# Altium PCB vme64x6U_ctrlc.PcbDoc (part 16 of 18)
Units mm, origin at the board's own origin, x right, y up, seen from the top; angles counter-clockwise.
Board outline 233.35 x 162 mm, 6 copper layers (TopLayer, PlaneGnd, PlanePwr, MidLayer3, MidLayer4, BottomLayer); 408 components, 677 nets, 2169 pads, 1555 vias.
Unrouted connection lines stored in the file: 184.
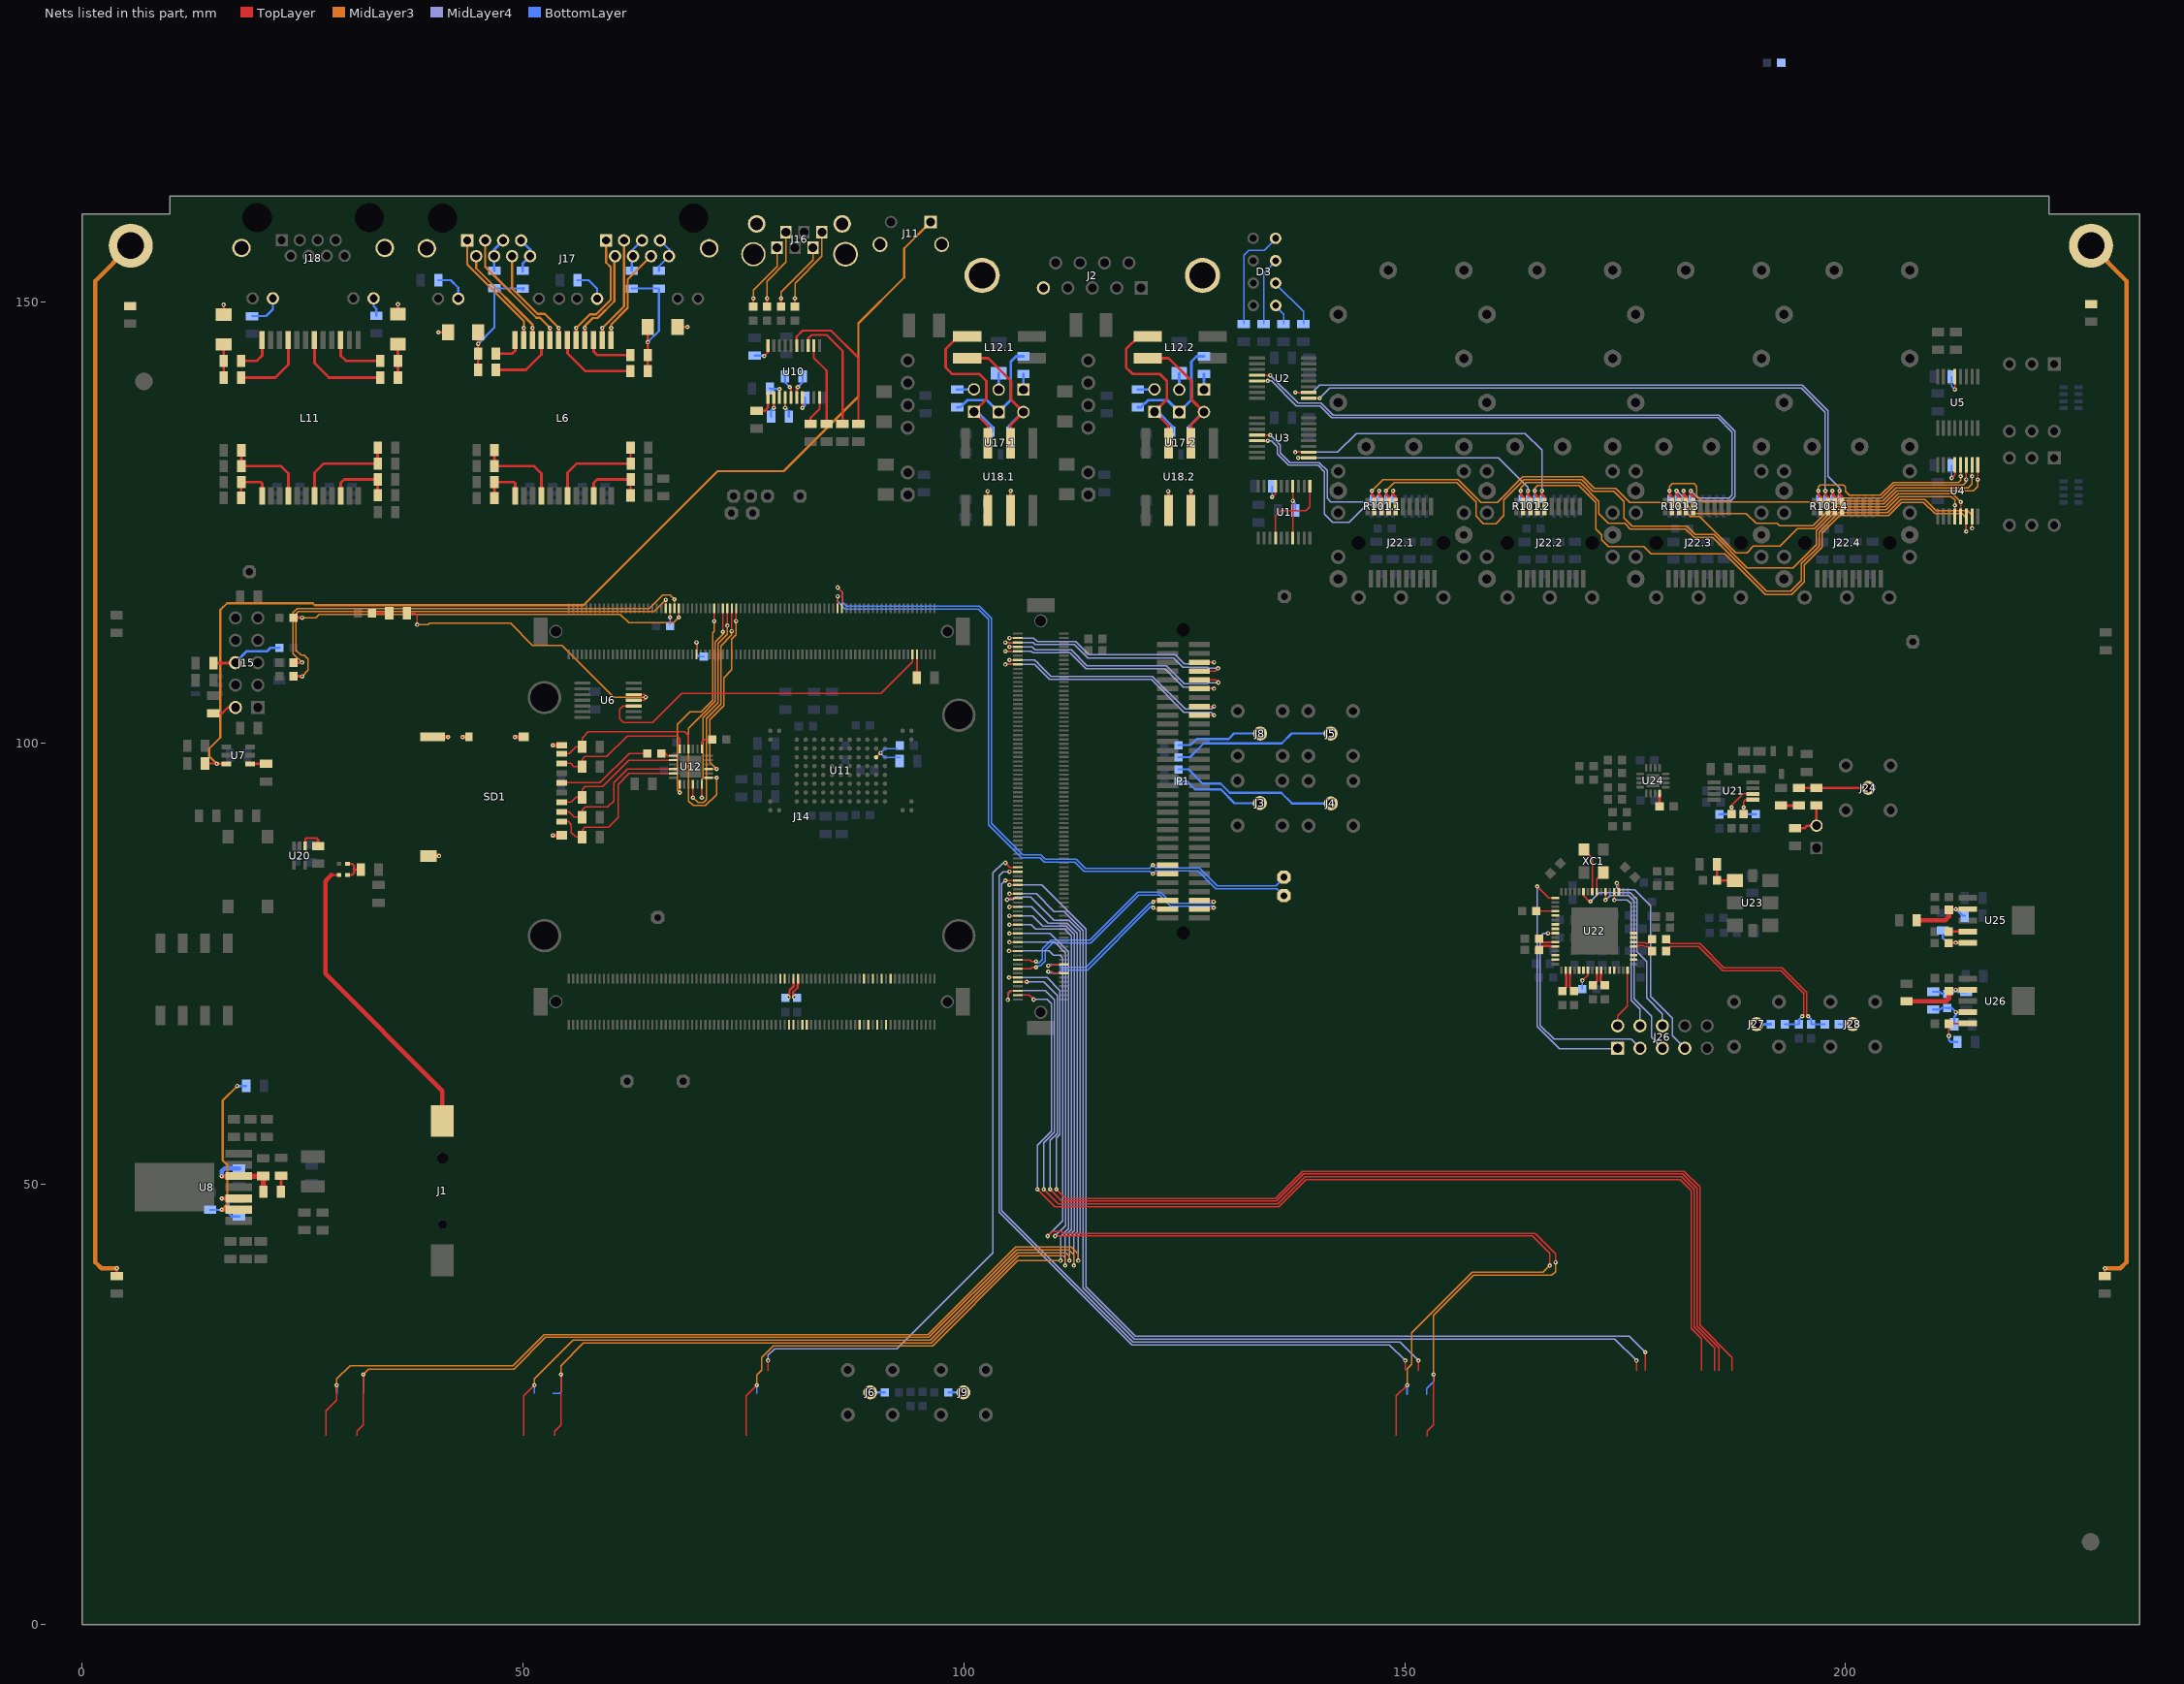
[diagram p20: the nets of this part, all layers, seen from the top]

## Via types
v1: diameter 0.5, hole 0.2, TopLayer to BottomLayer, tented both sides, 1555 vias

## Nets (pads, with @x,y where several pads share a name; then routed paths per layer and width w, separated by ;. In a path a pad name is that pad's centre, name@x,y a point inside that pad or via, vN(x,y) a via of type N, cw(c..) or ccw(c..) an arc to the next point about the centre after c; other vN are vias at no path point) (continued)
IO_CR35: J14.C154 P1.47 | length 29.2
  TopLayer w0.15: v1(104.7,108.9) J14.C154@106.125,108.9 ; P1.47@126.7,103.15 v1(128.375,103.15)
  MidLayer4 w0.15: v1(104.7,108.9) 108.025,108.9 108.175,108.75 109.725,107.2 121.25,107.2 124.96,103.49 128.035,103.49 v1(128.375,103.15)
IO_CR36: J14.C156 P1.49 | length 28.3
  TopLayer w0.15: v1(105.175,109.4) J14.C156@106.125,109.4 ; P1.49@126.7,104.15 v1(128.375,104.15)
  MidLayer4 w0.15: v1(105.175,109.4) 108.041,109.4 108.433,109.008 ; 108.422,108.997 109.87,107.55 121.395,107.55 125.105,103.84 128.065,103.84 v1(128.375,104.15)
IO_CR37: J14.C160 P1.53 | length 28.5
  TopLayer w0.15: v1(104.7,110.4) J14.C160@106.125,110.4 ; P1.53@126.7,106.15 v1(128.375,106.15)
  MidLayer4 w0.15: v1(104.7,110.4) 107.65,110.4 107.825,110.225 112.03,110.225 113.83,108.425 122.8,108.425 124.885,106.34 127.585,106.34 127.775,106.15 v1(128.375,106.15)
IO_CR38: J14.C162 P1.55 | length 28.8
  TopLayer w0.15: v1(105.175,110.9) J14.C162@106.125,110.9 ; P1.55@126.7,107.15 128.575,107.15 v1(128.875,106.85)
  MidLayer4 w0.15: v1(105.175,110.9) 107.75,110.9 108.075,110.575 112.175,110.575 113.975,108.775 122.945,108.775 125.03,106.69 127.615,106.69 127.775,106.85 v1(128.875,106.85)
IO_CR39: J14.C164 P1.57 | length 29.1
  TopLayer w0.15: v1(104.7,111.4) J14.C164@106.125,111.4 ; P1.57@126.7,108.15 128.525,108.15 v1(128.825,108.45)
  MidLayer4 w0.15: v1(104.7,111.4) 107.825,111.4 108.075,111.15 112.55,111.15 114.05,109.65 123.8,109.65 124.84,108.61 127.615,108.61 127.775,108.45 v1@128.875,108.45
IO_CR40: J14.C166 P1.59 | length 27.1
  TopLayer w0.15: v1(105.175,111.9) J14.C166@106.125,111.9 ; P1.59@126.7,109.15 v1(128.375,109.15)
  MidLayer4 w0.15: v1(105.175,111.9) 107.925,111.9 108.325,111.5 112.695,111.5 114.195,110 123.945,110 124.985,108.96 127.585,108.96 127.775,109.15 v1(128.375,109.15)
IO_CR_FX1: J14.C4 | length 123.6
  TopLayer w0.15: J14.C4@106.125,71.4 107.425,71.4 v1(107.925,70.9) ; v1(108.325,49.375) 110.3,47.4 135.725,47.4 138.8,50.475 181.267,50.475 182.51,49.232 182.51,33.61 183.65,32.47 183.65,28.8
  MidLayer4 w0.15: v1(107.925,70.9) 109.45,70.9 109.94,70.41 109.94,55.99 108.325,54.375 v1(108.325,49.375)
IO_CR_FX2: J14.C6 | length 128.4
  TopLayer w0.15: v1(104.975,70.85) 104.975,71.575 105.3,71.9 J14.C6@106.125,71.9 ; v1(109.05,49.375) 110.705,47.72 135.592,47.72 138.667,50.795 181.4,50.795 182.83,49.365 182.83,33.743 185.15,31.423 185.15,28.8
  MidLayer4 w0.15: v1(104.975,70.85) 104.975,71.575 105.3,71.9 109.25,71.9 110.26,70.89 110.26,55.857 109.05,54.647 v1(109.05,49.375)
IO_CR_FX3: J14.C10 | length 125
  TopLayer w0.15: J14.C10@106.125,72.9 v1@107.075,72.9 ; v1(109.775,49.375) 111.11,48.04 135.46,48.04 138.535,51.115 181.532,51.115 183.15,49.497 183.15,33.875 185.65,31.375 185.65,28.8
  MidLayer4 w0.15: v1(107.125,72.9) 109.05,72.9 110.58,71.37 110.58,55.725 109.775,54.92 v1(109.775,49.375)
IO_CR_FX4: J14.C12 | length 127.8
  TopLayer w0.15: v1@105.175,73.4 J14.C12@106.125,73.4 ; v1(110.5,49.375) 111.515,48.36 135.327,48.36 138.402,51.435 181.665,51.435 183.47,49.63 183.47,34.008 187.15,30.328 187.15,28.8
  MidLayer4 w0.15: v1(105.125,73.4) 109.425,73.4 110.9,71.925 110.9,55.592 110.5,55.192 v1(110.5,49.375)
IO_CR_FX5: J14.C24 | length 133
  TopLayer w0.15: v1@105.175,76.4 J14.C24@106.125,76.4 ; v1(109.5,44.075) 110.025,44.6 111.05,44.6 111.255,44.395 164.78,44.395 167.1,42.075 v1(167.1,41.1) ; 152.55,21.4 152.55,21.425 152.55,21.925 153.275,22.65 v1(153.275,28.375)
  MidLayer3 w0.15: v1(153.275,28.375) 153.275,35.1 157.8,39.625 166.7,39.625 167.1,40.025 v1(167.1,41.1)
  MidLayer4 w0.15: v1(105.125,76.4) 109.675,76.4 110.17,75.905 110.945,75.905 111.23,75.62 111.23,45.805 v1(109.5,44.075)
  BottomLayer w0.2: 152.5,26.15 152.5,26.8 153.275,27.575 v1(153.275,28.375)
IO_CR_FX6: J14.C28 | length 130.8
  TopLayer w0.15: v1(105.175,77.4) J14.C28@106.125,77.4 ; v1@110.5,44.075 164.5,44.075 166.45,42.125 v1(166.45,40.725) ; 149.05,21.425 149.05,25.95 v1(150.275,27.175)
  MidLayer3 w0.15: v1(150.275,27.175) 150.275,29.025 150.8,29.55 150.8,33.1 157.675,39.975 165.7,39.975 v1(166.45,40.725)
  MidLayer4 w0.15: v1(105.175,77.4) 110.325,77.4 111.55,76.175 111.55,45.275 v1(110.35,44.075)
  BottomLayer w0.2: 150.275,26.15 v1(150.275,27.175)
IO_CR_FX7: J14.C32 | length 92.9
  TopLayer w0.15: 75.3,21.425 75.3,25.95 v1(76.525,27.175) ; v1(105.175,78.4) J14.C32@106.125,78.4
  MidLayer3 w0.15: v1(76.525,27.175) 76.525,28.3 77.075,28.85 77.075,30.325 78.36,31.61 96.448,31.61 106.113,41.275 v1(110.975,41.275)
  MidLayer4 w0.15: v1(105.175,78.4) 109.775,78.4 110.455,77.72 110.458,77.72 111.87,76.308 111.87,76.305 111.875,76.3 111.875,45.75 111.875,44.95 110.975,44.05 v1(110.975,41.275)
  BottomLayer w0.2: 76.525,26.25 v1(76.525,27.175)
IO_CR_FX8: J14.C36 | length 120.7
  TopLayer w0.15: 53.575,21.425 53.575,21.925 ; 53.575,21.95 53.575,21.925 ; v1(54.3,28.375) 54.3,22.65 53.575,21.925 ; v1(105.175,79.4) J14.C36@106.125,79.4
  MidLayer3 w0.15: v1(54.3,28.375) 54.3,29.375 56.86,31.935 96.314,31.935 106.229,41.85 111.25,41.85 111.475,41.625 v1(111.475,40.725)
  MidLayer4 w0.15: v1(105.175,79.4) 107.625,79.4 108.125,78.9 111.44,78.9 112.2,78.14 112.2,45.275 112.2,44.8 111.475,44.075 v1(111.475,40.725)
  BottomLayer w0.15: 53.4,26.25 54.125,26.25 54.3,26.425 v1(54.3,28.375)
IO_CR_FX9: J14.C40 | length 121.6
  TopLayer w0.15: 50.075,21.425 50.075,25.95 v1(51.3,27.175) ; v1(105.175,80.4) J14.C40@106.125,80.4
  MidLayer3 w0.15: v1(51.3,27.175) 51.3,27.9 55.66,32.26 96.179,32.26 106.094,42.175 111.575,42.175 111.975,41.775 v1(111.975,41.275)
  MidLayer4 w0.15: v1(105.175,80.4) 107.8,80.4 108.975,79.225 111.575,79.225 112.525,78.275 112.525,44.669 112.44,44.585 111.975,44.119 v1(111.975,41.275)
  BottomLayer w0.15: 51.3,26.25 v1(51.3,27.175)
IO_CR_FX10: J14.C44 | length 145
  TopLayer w0.15: 31.15,21.425 31.15,21.925 ; 31.15,21.95 31.15,21.925 ; v1(31.875,28.375) 31.875,22.65 31.15,21.925 ; v1(105.175,81.4) J14.C44@106.125,81.4
  MidLayer3 w0.15: v1(31.875,28.375) 32.51,29.01 48.96,29.01 52.535,32.585 96.045,32.585 105.985,42.525 111.925,42.525 112.475,41.975 v1(112.475,40.725)
  MidLayer4 w0.15: v1(105.175,81.4) 107.7,81.4 109.55,79.55 111.71,79.55 112.85,78.41 112.85,44.535 112.475,44.16 v1(112.475,40.725)
  BottomLayer w0.2: 31.875,26.25 v1(31.875,28.375)
IO_CR_FX11: J14.C48 | length 148
  TopLayer w0.15: 27.65,21.425 27.65,24.25 28.875,25.475 v1(28.875,27.175) ; v1(104.9,82.225) 105.075,82.4 J14.C48@106.125,82.4
  MidLayer3 w0.15: v1(28.875,27.175) 28.875,27.875 30.385,29.385 48.882,29.385 52.402,32.905 52.83,32.905 52.835,32.91 95.91,32.91 105.85,42.85 112.175,42.85 112.975,42.05 v1(112.975,41.275)
  MidLayer4 w0.15: v1(104.9,82.225) 105.6,82.225 105.9,82.525 107.55,82.525 110.2,79.875 111.9,79.875 113.175,78.6 113.175,44.4 112.975,44.2 v1(112.975,41.275)
  BottomLayer w0.2: 28.875,26.25 v1(28.875,27.175)
IO_CR_FX12: J14.C50 | length 118.9
  TopLayer w0.15: v1(105.175,82.9) J14.C50@106.125,82.9 ; 176.275,28.825 v1(176.275,29.95)
  MidLayer4 w0.15: v1(105.175,82.9) 108.225,82.9 110.225,80.9 111.35,80.9 113.5,78.75 113.5,44.95 113.5,38.215 119.33,32.385 173.84,32.385 v1(176.275,29.95)
IO_CR_FX13: J14.C54 | length 120.8
  TopLayer w0.15: v1(105.175,83.9) J14.C54@106.125,83.9 ; 177.275,28.825 v1(177.275,30.9)
  MidLayer4 w0.15: v1(105.175,83.9) 108.825,83.9 113.825,78.9 113.825,44.95 113.825,38.35 119.465,32.71 175.465,32.71 v1(177.275,30.9)
IO_CR_FX14: J14.C56 | length 94.5
  TopLayer w0.15: v1(104.7,84.4) J14.C56@106.125,84.4 ; 151.55,28.825 v1(151.55,29.95)
  MidLayer4 w0.15: v1(104.7,84.4) 104.3,84 104.3,46.949 119.193,32.056 149.444,32.056 v1(151.55,29.95)
IO_CR_FX15: J14.C60 | length 94.6
  TopLayer w0.15: v1(105.175,85.4) J14.C60@106.125,85.4 ; 150.05,28.825 v1(150.05,29.95)
  MidLayer4 w0.15: v1(105.175,85.4) 104.45,85.4 103.98,84.93 103.98,46.794 119.054,31.72 148.28,31.72 v1(150.05,29.95)
IO_CR_FX16: J14.C62 | length 78.6
  TopLayer w0.15: 77.8,28.825 v1(77.8,29.95) ; v1(104.7,86.4) 105.2,85.9 J14.C62@106.125,85.9
  MidLayer4 w0.15: v1(77.8,29.95) 77.8,30.55 78.525,31.275 92.423,31.275 103.305,42.157 103.305,85.255 104.45,86.4 v1(104.7,86.4)
JTAG_P\R\S\N\T\: J15.2 R42.1 | length 2.8
  TopLayer w0.25: R42.1@14.875,103.375 15.875,103.375 16.52,104.02 J15.2@17.38,104.02
JTAG_TCK: J14.A123 R43.1 | length 52.7
  TopLayer w0.15: J14.A123@66.175,115.25 v1(66.175,116.25)
  TopLayer w0.3: R43.1@23.96,107.56 v1(24.94,107.56)
  MidLayer3 w0.15: v1(24.94,107.56) 25.625,108.245 25.625,109.5 25.175,109.95 24.825,109.95 24.245,110.53 24.245,114.645 24.525,114.925 64.85,114.925 v1(66.175,116.25)
JTAG_TDI: J14.A117 R45.1 | length 45.5
  TopLayer w0.15: v1(67.675,114.25) J14.A117@67.675,115.25
  TopLayer w0.3: R45.1@23.96,114.21 v1(24.94,114.21)
  MidLayer3 w0.15: v1(24.94,114.21) 26.51,114.21 26.89,114.59 61.03,114.59 61.995,113.625 67.05,113.625 v1(67.675,114.25)
JTAG_TDO: J14.A121 R48.1 | length 1.8
  TopLayer w0.15: v1(66.675,114.25) J14.A121@66.675,115.25
  BottomLayer w0.15: R48.1@66.7,113.425 v1@66.7,114.275
JTAG_TMS: J14.A119 R47.1 | length 52.4
  TopLayer w0.15: J14.A119@67.175,115.25 v1(67.175,116.275)
  TopLayer w0.3: R47.1@23.96,109.11 v1(24.94,109.11)
  MidLayer3 w0.15: v1(24.94,109.11) 23.925,110.125 23.925,114.778 24.392,115.245 64.295,115.245 65.825,116.775 66.675,116.775 v1(67.175,116.275)
MGND: C51.2 C56.1 C58.1 C59.1 J2.5 J2.S1 J2.S2 J11.0 J16.0 J17.S1 J17.S2 J18.S1 J18.S2 pad.0 R27.1 R28.1 R30.1 R32.1 | length 245.5
  TopLayer w0.3: R27.1@3.925,39.55 v1(3.925,40.425) ; C58.1@16.035,148.585 v1(16.035,149.685) ; C59.1@35.81,148.635 v1(35.81,149.735) ; v1(40.4,146.575) C51.2@41.5,146.575 ; C56.1@67.535,147.185 v1(68.635,147.185) ; R28.1@229.4,39.55 229.4,40.4 v1(229.425,40.425)
  MidLayer3 w0.5: v1@3.95,40.45 v1(3.925,40.425) 2.175,40.425 1.5,41.1 1.5,152.4 pad.0@5.5,156.4 ; pad.0@227.85,156.4 231.85,152.4 231.85,41.1 231.175,40.425 v1(229.425,40.425)
MGT_RX1_N: J14.B28
MGT_RX1_P: J14.B24
MGT_RX2_N: J14.B36
MGT_RX2_P: J14.B32
MGT_RX6N: J14.B62
MGT_RX6P: J14.B60
MGT_RX7N: J14.B68
MGT_RX7P: J14.B66
MGT_RX8.IO_N: J14.C20 P1.5 | length 28.7
  TopLayer w0.15: J14.C20@106.125,75.4 107.5,75.4 107.665,75.235 v1(108.175,75.235) ; P1.5@126.7,82.15 128.175,82.15 v1(128.327,81.998)
  BottomLayer w0.15: v1(108.175,75.235) 108.347,75.062 108.525,75.062 108.875,75.413 108.875,76.635 109.89,77.65 114.275,77.65 119.7,83.075 122.335,83.075 123.585,81.825 128.153,81.825 v1(128.327,81.998)
MGT_RX8.IO_P: J14.C16 P1.3 | length 28.7
  TopLayer w0.15: J14.C16@106.125,74.4 107.55,74.4 107.715,74.565 v1(108.175,74.565) ; P1.3@126.7,81.15 128.153,81.15 v1(128.327,81.323)
  BottomLayer w0.15: v1(108.175,74.565) 108.347,74.737 108.66,74.737 109.2,75.278 109.2,76.5 110.025,77.325 114.41,77.325 119.835,82.75 122.2,82.75 123.45,81.5 128.15,81.5 v1(128.327,81.323)
MGT_TX1_N: J14.B25
MGT_TX1_P: J14.B21
MGT_TX2_N: J14.B33
MGT_TX2_P: J14.B29
MGT_TX6_N: C9.2 J14.B63 | length 2.3
  TopLayer w0.25: v1(80.773,71.175) 80.65,71.298 80.65,71.761 81.138,72.249 81.138,72.538 81.175,72.575 J14.B63@81.175,73.25
MGT_TX6_P: C8.2 J14.B65 | length 2.4
  TopLayer w0.25: v1(80.103,71.175) 80.225,71.298 80.225,71.938 80.713,72.425 80.713,72.538 80.675,72.575 J14.B65@80.675,73.25
  MidLayer3 w0.25: v1(80.103,71.175) v1@80.186,71.175
MGT_TX7N: J14.B71
MGT_TX7P: J14.B69
MGT_TX8.IO_N: J14.C17 P1.6 | length 18.8
  TopLayer w0.15: v1(109.575,74.735) 109.59,74.75 110,74.75 110.15,74.9 J14.C17@111.325,74.9 ; v1(121.476,81.973) 121.653,82.15 P1.6@123.1,82.15
  BottomLayer w0.15: v1(109.575,74.735) 109.735,74.895 110.73,74.895 111.063,74.562 113.862,74.562 121.1,81.8 121.45,81.8 121.476,81.826 v1(121.476,81.973)
MGT_TX8.IO_P: J14.C13 P1.4 | length 18.8
  TopLayer w0.15: v1(109.575,74.065) 109.59,74.05 110,74.05 110.15,73.9 J14.C13@111.325,73.9 ; v1(121.476,81.298) 121.625,81.15 P1.4@123.1,81.15
  BottomLayer w0.15: v1(109.575,74.065) 109.735,73.905 110.73,73.905 111.063,74.237 113.997,74.237 121.235,81.475 121.45,81.475 121.476,81.449 v1(121.476,81.298)
ModDef_SFP0: J22.1.6 R101.1.8 U3.5 | length 27.1
  TopLayer w0.15: U3.5@133.255,134.275 v1(134.45,134.275) v1@134.455,134.275
  TopLayer w0.3: v1(148.68,128.595) 148.68,128.195 148.975,127.9 J22.1.6@148.975,126.8
  MidLayer4 w0.15: v1(134.45,134.275) 134.9,134.275 135.57,133.605 135.57,132.76 136.845,131.485 140.162,131.485 140.89,130.757 140.89,125.935 141.825,125 143.675,125 145.7,127.025 147.525,127.025 148.68,128.18 v1(148.68,128.595)
  BottomLayer w0.15: R101.1.8@148.68,127.7 v1(148.68,128.595)
ModDef_SFP1: J22.2.6 R101.2.8 U3.10 | length 38.4
  TopLayer w0.15: v1(137.6,132.975) U3.10@138.95,132.975
  TopLayer w0.3: v1(165.555,128.595) 165.555,128.195 165.85,127.9 J22.2.6@165.85,126.8
  MidLayer4 w0.15: v1(137.6,132.975) 142.4,132.975 144.525,135.1 163.675,135.1 165.555,133.22 v1(165.555,128.595)
  BottomLayer w0.15: R101.2.8@165.555,127.7 v1(165.555,128.595)
ModDef_SFP2: J22.3.6 R101.3.8 U2.5 | length 71.5
  TopLayer w0.15: U2.5@133.255,141.05 v1(134.45,141.05) v1@134.455,141.05
  TopLayer w0.3: v1(182.43,128.595) 182.43,128.195 182.725,127.9 J22.3.6@182.725,126.8
  MidLayer4 w0.15: v1(134.45,141.05) 134.875,141.05 137.705,138.22 140.392,138.22 141.742,136.87 185.517,136.87 187.15,135.237 187.15,129.138 187.145,129.133 187.145,128.117 186.778,127.75 183.275,127.75 v1(182.43,128.595)
  BottomLayer w0.15: R101.3.8@182.43,127.7 v1(182.43,128.595)
ModDef_SFP3: J22.4.6 R101.4.8 U2.10 | length 75.7
  TopLayer w0.15: v1(137.6,139.75) U2.10@138.95,139.75
  TopLayer w0.3: v1(199.305,128.595) 199.305,128.195 199.6,127.9 J22.4.6@199.6,126.8
  MidLayer4 w0.15: v1(137.6,139.75) 139.5,139.75 140.32,140.57 195.108,140.57 198.025,137.653 198.025,130.225 199.305,128.945 v1(199.305,128.595)
  BottomLayer w0.15: R101.4.8@199.305,127.7 v1(199.305,128.595)
NetC13_1: C13.1 U7.4 | length 1.8
  TopLayer w0.25: U7.4@19.035,97.635 20.84,97.635 C13.1@20.85,97.625
NetC16_1: C16.1 R35.1 U8.2 | length 19.5
  TopLayer w0.5: v1(15.82,47.07) U8.2@17.76,47.07
  MidLayer3 w0.25: v1(15.82,47.07) 16.45,47.7 16.45,52.15 15.95,52.65 15.95,59.475 v1(17.575,61.1)
  BottomLayer w0.25: C16.1@14.5,47.05 15.8,47.05 v1(15.82,47.07) ; v1(17.575,61.1) R35.1@18.6,61.1
NetC29_1: C29.1 R38.2 | length 1.8
  TopLayer w0.3: R38.2@22.56,50.935 22.56,49.16 C29.1@22.61,49.11
NetC29_2: C29.2 R36.2 R39.1 U8.5 | length 9.2
  TopLayer w0.5: v1(15.82,50.88) U8.5@17.76,50.88
  TopLayer w0.6: U8.5@17.76,50.88 17.76,50.885 R36.2@20.535,50.885 C29.2@20.535,49.11
  BottomLayer w0.5: v1(15.82,50.88) 15.82,51.445 16.135,51.76 R39.1@17.785,51.76
NetC30_2: C30.2 U8.3 | length 5.6
  TopLayer w0.5: v1(15.82,48.34) U8.3@17.76,48.34
  BottomLayer w0.3: v1(15.82,48.34) 16.43,48.34 16.585,48.185 16.585,46.71 17.01,46.285 C30.2@17.785,46.285
NetC34_1: C34.1 U10.3 | length 2.1
  TopLayer w0.25: U10.3@79.085,139.16 v1(79.085,140.135)
  BottomLayer w0.25: C34.1@77.985,140.185 78.035,140.135 v1(79.085,140.135)
NetC35_1: C35.1 U10.7 | length 2.4
  TopLayer w0.25: v1(81.685,138.01) U10.7@81.685,139.16
  BottomLayer w0.25: v1(81.685,138.01) 81.985,138.31 C35.1@81.985,139.16
NetC36_1: C36.1 U10.4 | length 2.3
  TopLayer w0.25: v1(79.735,138.01) U10.4@79.735,139.16
  BottomLayer w0.25: v1(79.735,138.01) 80.135,137.61 C36.1@80.135,137.01
NetC36_2: C36.2 U10.2 | length 2.3
  TopLayer w0.25: v1(78.435,138.01) U10.2@78.435,139.16
  BottomLayer w0.25: C36.2@78.135,137.01 78.135,137.71 v1(78.435,138.01)
NetC37_1: C37.1 U10.6 | length 2.6
  TopLayer w0.25: U10.6@81.035,139.16 v1@81.035,140.31
  BottomLayer w0.25: v1(81.16,140.36) 81.71,140.91 C37.1@81.71,141.56
NetC37_2: C37.2 U10.5 | length 2.6
  TopLayer w0.25: U10.5@80.385,139.16 v1@80.385,140.31
  BottomLayer w0.25: C37.2@79.71,141.56 79.71,140.91 v1(80.26,140.36)
NetC41_1: C41.1 C42.2 U11.E4 | length 5.3
  TopLayer w0.15: U11.E4@90.05,98.375 v1(90.55,98.875)
  BottomLayer w0.15: C41.1@92.45,99.375 91.05,99.375 v1(90.55,98.875) 91.05,98.375 C42.2@92.825,98.375
NetC51_1: C51.1 R79.1 R81.1 R82.2 R84.2 | length 14.7
  TopLayer w0.3: R81.1@44.91,142.31 R79.1@44.91,144.16 C51.1@44.91,146.425
  BottomLayer w0.25: v1(44.925,145.275) 46.76,147.11 R82.2@46.76,151.56 46.785,151.535 R84.2@49.96,151.535 ; R84.2@49.96,151.41 R84.2@50.085,151.535
  BottomLayer w0.3: R84.2@49.96,151.535 R84.2@50.085,151.535
NetC52_2: C52.2 L2.1 L6.10 | length 7.7
  TopLayer w0.25: C52.2@62.2,128.075 62.2,129.88 L2.1@62.205,129.885
  TopLayer w0.3: L6.10@58.015,128 58.015,129.495 58.405,129.885 L2.1@62.205,129.885
NetC53_2: C53.2 L3.1 L6.7 | length 12.1
  TopLayer w0.25: C53.2@62.2,133.5 62.2,131.69 L3.1@62.205,131.685
  TopLayer w0.3: L6.7@55.045,128 55.045,130.65 56.08,131.685 L3.1@62.205,131.685
NetC54_2: C54.2 L4.1 L6.4 | length 10
  TopLayer w0.3: C54.2@46.75,133.2 46.755,133.195 L4.1@46.755,131.385 51.255,131.385 52.075,130.565 L6.4@52.075,128
NetC55_2: C55.2 L5.1 L6.1 | length 5.7
  TopLayer w0.3: C55.2@46.75,127.775 46.755,127.78 L5.1@46.755,129.585 48.97,129.585 49.105,129.45 L6.1@49.105,128
NetC56_2: C56.2 R83.1 R85.1 R87.2 R88.2 | length 14.7
  TopLayer w0.3: C56.2@64.135,147.185 64.16,147.16 v1(64.16,145.46) R85.1@64.16,143.985 R83.1@64.16,142.16
  BottomLayer w0.25: R87.2@62.335,151.535 R88.2@65.41,151.535 65.41,146.71 v1(64.16,145.46)
NetC58_2: C58.2 R89.1 R90.1 | length 3.8
  TopLayer w0.3: R90.1@16.035,141.435 R89.1@16.035,143.335 16.035,144.885 C58.2@16.26,145.11
NetC59_2: C59.2 R92.1 R94.1 | length 3.6
  TopLayer w0.3: C59.2@35.585,144.985 35.81,144.76 R94.1@35.81,143.335 R92.1@35.81,141.435
NetC60_2: C60.2 L7.1 L11.10 | length 7.6
  TopLayer w0.3: L11.10@29.32,128 29.32,129.495 29.71,129.885 L7.1@33.51,129.885 C60.2@33.51,128.085
NetC61_2: C61.2 L8.1 L11.7 | length 12
  TopLayer w0.3: L11.7@26.35,128 26.35,130.65 27.385,131.685 L8.1@33.51,131.685 C61.2@33.51,133.485
NetC62_2: C62.2 L9.1 L11.4 | length 10
  TopLayer w0.3: C62.2@18.06,133.185 L9.1@18.06,131.385 22.56,131.385 23.38,130.565 L11.4@23.38,128
NetC63_2: C63.2 L10.1 L11.1 | length 5.7
  TopLayer w0.3: C63.2@18.035,127.785 18.035,129.56 L10.1@18.06,129.585 20.275,129.585 20.41,129.45 L11.1@20.41,128
NetC64.1_2: C64.1.2 J20.1.2 | length 1.9
  BottomLayer w0.3: J20.1.2@103.95,140.07 C64.1.2@103.95,141.925
NetC64.2_2: C64.2.2 J20.2.2 | length 1.9
  BottomLayer w0.3: J20.2.2@124.425,140.07 C64.2.2@124.425,141.925
NetC80_2: C80.2 R103.1 | length 2
  TopLayer w0.3: C80.2@192.675,92.9 R103.1@194.7,92.9
NetC121_2: C121.2 U25.4 | length 2.2
  TopLayer w0.3: C121.2@211.7,78.613 U25.4@213.875,78.613
NetC124_1: C124.1 R137.1 R138.2 U26.4 | length 5.7
  TopLayer w0.15: v1(212.507,69.455) U26.4@213.875,69.455
  BottomLayer w0.25: R137.1@209.923,69.775 210.725,69.775 210.925,69.975 211.498,69.975 C124.1@211.523,69.95 212.05,69.95 212.507,69.493 v1(212.507,69.455) 212.507,69.107 212.325,68.925 R138.2@212.325,68.1
NetD1_2: D1.2 D2.2 R8.2 | length 3.2
  TopLayer w0.25: D2.2@30.09,85.035 30.585,85.035 30.825,85.275 30.825,85.65 ; D1.2@30.09,86.285 30.59,86.285 30.825,86.05 30.825,85.65 ; R8.2@31.61,85.635 30.84,85.635 30.825,85.65
NetD2_1: D2.1 J1.1 | length 34.6
  TopLayer w0.25: 28.26,85.035 D2.1@29.13,85.035
  TopLayer w0.5: 28.26,85.035 27.575,84.35 27.575,73.825 40.85,60.55 J1.1@40.85,57.13
NetD3_1: D3.1 R26.2 | length 12.2
  BottomLayer w0.15: R26.2@131.75,147.5 131.75,155.3 132.325,155.875 134.1,155.875 D3.1@135.355,157.13
NetD3_3: D3.3 R25.2 | length 7.7
  BottomLayer w0.15: R25.2@134,147.5 134,153.23 D3.3@135.36,154.59
NetD3_5: D3.5 R23.2 | length 5.8
  BottomLayer w0.15: D3.5@135.365,152.05 138.5,148.915 R23.2@138.5,147.5
NetD3_7: D3.7 R22.2 | length 2.4
  BottomLayer w0.15: D3.7@135.37,149.51 136.25,148.63 R22.2@136.25,147.5
NetD4_2: D4.2 R34.2 | length 1.9
  TopLayer w0.25: D4.2@32.865,114.71 R34.2@34.815,114.71
NetJ3_1: J3.1 R9.1 | length 10.3
  BottomLayer w0.25: R9.1@124.325,95.65 125.3,95.65 126.225,94.725 129.15,94.725 130.7,93.175 J3.1@133.575,93.175